# Altium PCB Flight_Controller.PcbDoc (part 2 of 2)
Units mm, origin at the board's own origin, x right, y up, seen from the top; angles counter-clockwise.
Board outline 50 x 50 mm, 2 copper layers (Top Layer, Bottom Layer), stack 1.569 mm thick; 102 components, 121 nets, 487 pads, 245 vias.
Unrouted connection lines stored in the file: 77.
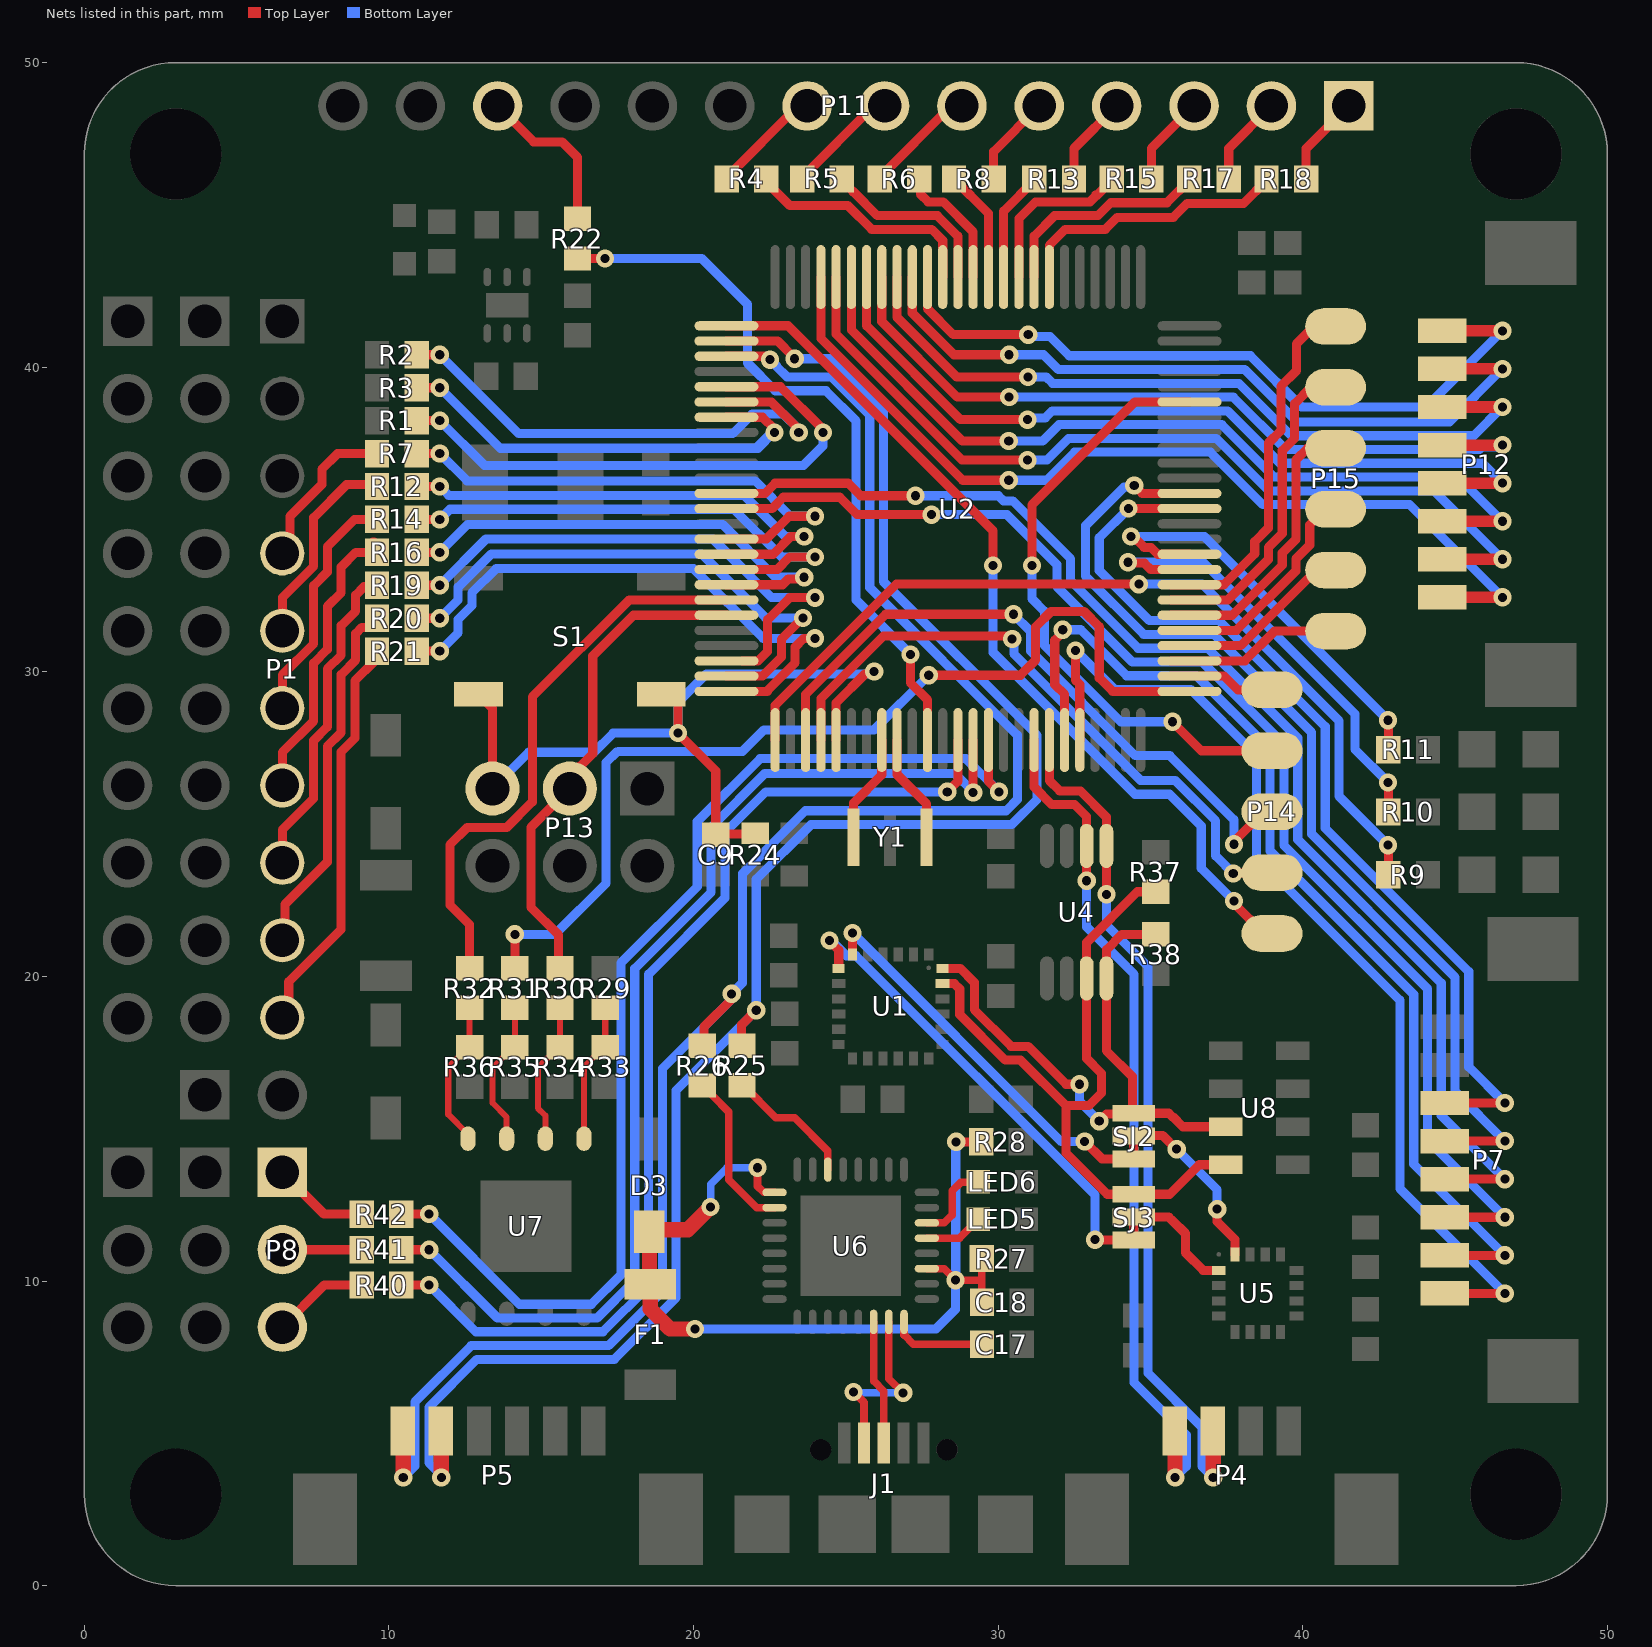
[diagram p2: the nets of this part, all layers, seen from the top]

## Via types
v1: diameter 0.6, hole 0.3, Top Layer to Bottom Layer, tented both sides, 245 vias

## Nets (pads, with @x,y where several pads share a name; then routed paths per layer and width w, separated by ;. In a path a pad name is that pad's centre, name@x,y a point inside that pad or via, vN(x,y) a via of type N, cw(c..) or ccw(c..) an arc to the next point about the centre after c; other vN are vias at no path point) (continued)
NetP1_4: P1.4 R7.1 | length 5.2
  Top Layer w0.3: P1.4@6.5,33.89 6.754,34.144 6.754,35.102 7.8,36.149 7.8,36.65 8.317,37.167 R7.1@9.51,37.167
NetP1_5: P1.5 R12.1 | length 6.6
  Top Layer w0.3: P1.5@6.5,31.35 6.5,32.438 7.527,33.465 7.527,35.065 8.612,36.15 9.446,36.15 R12.1@9.51,36.086
NetP1_6: P1.6 R14.1 | length 7.9
  Top Layer w0.3: P1.6@6.5,28.81 6.5,29.898 7.527,30.925 7.527,32.825 7.979,33.277 7.979,34.109 8.874,35.004 R14.1@9.61,35.004
NetP1_7: P1.7 R16.1 | length 9.7
  Top Layer w0.3: P1.7@6.5,26.27 6.5,27.358 7.527,28.385 7.527,30.285 7.979,30.737 7.979,32.146 8.431,32.598 8.431,33.441 8.913,33.923 R16.1@9.51,33.923 ; R16.1@9.472,34.252 9.51,34.252 R16.1@9.51,33.923 ; R16.1@9.61,33.923 R16.1@9.51,33.923
NetP1_8: P1.8 R19.1 | length 10.7
  Top Layer w0.3: P1.8@6.5,23.73 6.5,24.818 7.527,25.845 7.527,27.745 7.979,28.197 7.979,30.098 8.431,30.55 8.431,31.517 8.908,31.994 8.908,32.518 9.182,32.792 9.61,32.792 R19.1@9.61,32.842
NetP1_9: P1.9 R20.1 | length 12
  Top Layer w0.3: P1.9@6.5,21.19 6.587,21.277 6.587,22.365 7.979,23.757 7.979,27.558 8.431,28.01 8.431,29.911 8.908,30.388 8.908,31.255 9.114,31.461 9.36,31.461 9.61,31.711 R20.1@9.61,31.761
NetP1_10: P1.10 R21.1 | length 13.3
  Top Layer w0.3: P1.10@6.5,18.65 6.712,18.862 6.712,19.825 8.431,21.544 8.431,27.371 8.883,27.823 8.883,29.703 9.51,30.33 R21.1@9.51,30.68
NetP4_3: P4.3 U2.44 U4.5 | length 28.3
  Top Layer w0.3: U2.44@31.68,27.76 31.68,26.432 32.02,26.092 32.698,26.092 33.555,25.235 U4.5@33.555,24.285 v1(33.555,22.695)
  Top Layer w0.5: v1(37.06,3.55) P4.3@37.06,5.065
  Bottom Layer w0.3: v1(33.555,22.695) 33.555,21.696 34.914,20.337 34.914,6.986 36.69,5.21 36.69,3.921 v1(37.06,3.55)
NetP4_4: P4.4 U2.43 U4.6 | length 28.4
  Top Layer w0.3: U2.43@31.18,27.76 31.18,26.22 31.76,25.64 32.511,25.64 32.905,25.246 U4.6@32.905,24.285 v1(32.905,23.14)
  Top Layer w0.5: v1(35.81,3.55) P4.4@35.81,5.065
  Bottom Layer w0.3: v1(32.905,23.14) 32.905,21.625 34.462,20.068 34.462,6.668 36.18,4.95 36.18,3.921 v1(35.81,3.55)
NetP8_1: P8.1 R42.1 | length 3.2
  Top Layer w0.3: P8.1@6.5,13.57 7.87,12.2 R42.1@9.11,12.2
NetP8_2: P8.2 R41.1 | length 2.6
  Top Layer w0.3: P8.2@6.5,11.03 R41.1@9.11,11.03
NetP8_3: P8.3 R40.1 | length 3.2
  Top Layer w0.3: P8.3@6.5,8.49 7.88,9.87 R40.1@9.11,9.87
NetP11_1: P11.1 R18.2 | length 3
  Top Layer w0.3: R18.2@40.11,46.18 40.11,47.18 P11.1@41.51,48.58
NetP11_2: P11.2 R17.2 | length 3
  Top Layer w0.3: R17.2@37.57,46.18 37.57,47.18 P11.2@38.97,48.58
NetP11_3: P11.3 R15.2 | length 3
  Top Layer w0.3: R15.2@35.03,46.18 35.03,47.18 P11.3@36.43,48.58
NetP11_4: P11.4 R13.2 | length 3
  Top Layer w0.3: R13.2@32.49,46.18 32.49,47.18 P11.4@33.89,48.58
NetP11_5: P11.5 R8.2 | length 3
  Top Layer w0.3: R8.2@29.85,46.18 29.85,47.08 P11.5@31.35,48.58
NetP11_6: P11.6 R6.2 | length 3.7
  Top Layer w0.3: R6.2@26.11,46.18 26.11,46.23 28.46,48.58 P11.6@28.81,48.58
NetP11_7: P11.7 R5.2 | length 3.7
  Top Layer w0.3: R5.2@23.57,46.18 23.57,46.23 25.92,48.58 P11.7@26.27,48.58
NetP11_8: P11.8 R4.2 | length 3.7
  Top Layer w0.3: R4.2@21.09,46.18 21.09,46.23 23.44,48.58 P11.8@23.73,48.58
NetP11_12: P11.12 R22.1 | length 5.3
  Top Layer w0.3: P11.12@13.57,48.58 14.75,47.4 15.68,47.4 16.19,46.89 R22.1@16.19,44.87
NetP12_1: P12.1 U2.90 | length 24.3
  Top Layer w0.3: U2.90@27.68,42.96 27.68,41.921 28.531,41.07 v1(30.99,41.07)
  Top Layer w0.381: P12.1@44.58,41.195 v1(46.555,41.195)
  Bottom Layer w0.3: v1(30.99,41.07) 31.047,41.013 31.697,41.013 32.334,40.376 38.279,40.376 39.96,38.695 44.055,38.695 v1(46.555,41.195)
NetP12_2: P12.2 U2.91 | length 24.7
  Top Layer w0.3: U2.91@27.18,42.96 27.18,41.782 28.552,40.41 v1(30.36,40.41)
  Top Layer w0.381: P12.2@44.58,39.945 v1(46.555,39.945)
  Bottom Layer w0.3: v1(30.36,40.41) 31.489,40.41 31.975,39.924 38.091,39.924 39.813,38.202 44.812,38.202 v1(46.555,39.945)
NetP12_3: P12.3 U2.92 | length 25.2
  Top Layer w0.3: U2.92@26.68,42.96 26.68,41.642 28.642,39.68 v1(30.98,39.68)
  Top Layer w0.381: P12.3@44.58,38.695 v1(46.555,38.695)
  Bottom Layer w0.3: v1(30.98,39.68) 31.58,39.68 31.788,39.472 37.904,39.472 39.626,37.75 45.61,37.75 v1(46.555,38.695)
NetP12_4: P12.4 U2.93 | length 25.6
  Top Layer w0.3: U2.93@26.18,42.96 26.18,41.503 28.663,39.02 v1(30.36,39.02)
  Top Layer w0.381: P12.4@44.58,37.445 v1(46.555,37.445)
  Bottom Layer w0.3: v1(30.36,39.02) 37.717,39.02 39.439,37.298 45.797,37.298 45.887,37.388 46.498,37.388 v1(46.555,37.445)
NetP12_5: P12.5 U2.94 | length 26.8
  Top Layer w0.3: U2.94@25.68,42.96 25.68,41.364 28.764,38.28 v1(30.96,38.28)
  Top Layer w0.381: P12.5@44.58,36.195 v1(46.555,36.195)
  Bottom Layer w0.3: v1(30.96,38.28) 31.017,38.337 31.547,38.337 31.778,38.568 37.53,38.568 39.252,36.846 45.904,36.846 v1(46.555,36.195)
NetP12_6: P12.6 U2.95 | length 28.1
  Top Layer w0.3: U2.95@25.18,42.96 25.18,41.225 28.825,37.58 v1(30.35,37.58)
  Top Layer w0.381: P12.6@44.58,34.945 v1(46.555,34.945)
  Bottom Layer w0.3: v1(30.35,37.58) 31.46,37.58 31.996,38.116 37.342,38.116 39.064,36.394 45.106,36.394 v1(46.555,34.945)
NetP12_7: P12.7 U2.96 | length 29.4
  Top Layer w0.3: U2.96@24.68,42.96 24.68,41.085 28.815,36.95 v1(30.96,36.95)
  Top Layer w0.381: P12.7@44.58,33.695 v1(46.555,33.695)
  Bottom Layer w0.3: v1(30.96,36.95) 31.6,36.95 32.314,37.664 37.155,37.664 38.877,35.942 44.308,35.942 v1(46.555,33.695)
NetP12_8: P12.8 U2.97 | length 30.6
  Top Layer w0.3: U2.97@24.18,42.96 24.18,40.946 28.836,36.29 v1(30.35,36.29)
  Top Layer w0.381: P12.8@44.58,32.445 v1(46.555,32.445)
  Bottom Layer w0.3: v1(30.35,36.29) 31.59,36.29 32.512,37.212 36.968,37.212 38.69,35.49 43.51,35.49 v1(46.555,32.445)
NetR1_2: R1.2 U2.5 | length 18.5
  Top Layer w0.3: R1.2@10.91,38.248 v1(11.67,38.248) ; U2.5@21.08,39.36 22.85,39.36 v1@24.25,37.96
  Bottom Layer w0.3: v1(11.67,38.248) 13.138,36.78 23.611,36.78 24.25,37.419 v1(24.25,37.86) v1@24.25,37.96
NetR2_2: R2.2 U2.6 | length 16.9
  Top Layer w0.3: R2.2@10.81,40.41 R2.2@10.91,40.41 v1(11.67,40.41) ; U2.6@21.08,38.86 22.555,38.86 v1@23.455,37.96
  Bottom Layer w0.3: v1(11.67,40.41) 14.26,37.82 21.284,37.82 21.926,38.462 22.953,38.462 v1@23.455,37.96
  other v1: 23.455,37.86
NetR3_2: R3.2 U2.7 | length 15.4
  Top Layer w0.3: R3.2@10.91,39.329 v1(11.67,39.329) ; U2.7@21.08,38.36 22.26,38.36 v1@22.66,37.96
  Bottom Layer w0.3: v1(11.67,39.329) 13.659,37.34 22.04,37.34 ; v1(22.66,37.86) 22.639,37.86 22.119,37.34 22.04,37.34 ; v1@22.66,37.96 22.04,37.34
NetR4_1: R4.1 U2.89 | length 7.9
  Top Layer w0.3: R4.1@22.39,46.18 22.39,46.083 23.163,45.31 25.064,45.31 25.85,44.524 27.818,44.524 28.18,44.162 U2.89@28.18,42.96
NetR5_1: R5.1 U2.88 | length 6
  Top Layer w0.3: R5.1@24.87,46.18 24.87,46.13 25.238,45.762 25.251,45.762 26.037,44.976 28.005,44.976 28.68,44.301 U2.88@28.68,42.96
NetR6_1: R6.1 U2.87 | length 4.2
  Top Layer w0.3: R6.1@27.41,46.18 27.45,46.14 27.45,45.68 27.702,45.428 28.192,45.428 29.18,44.44 U2.87@29.18,42.96
NetR7_2: R7.2 U2.15 | length 17.2
  Top Layer w0.3: R7.2@10.91,37.167 v1(11.67,37.167) ; U2.15@21.08,34.36 22.39,34.36 23.14,35.11 v1(23.99,35.11)
  Bottom Layer w0.3: v1(11.67,37.167) 12.567,36.27 22.02,36.27 23.18,35.11 v1(23.99,35.11)
NetR8_1: R8.1 U2.86 | length 3.7
  Top Layer w0.3: R8.1@28.55,46.18 29.68,45.05 U2.86@29.68,42.96
NetR12_2: R12.2 U2.16 | length 16.2
  Top Layer w0.3: R12.2@10.91,36.086 v1(11.67,36.086) ; U2.16@21.08,33.86 22.612,33.86 23.193,34.442 v1(23.63,34.442)
  Bottom Layer w0.3: v1(11.67,36.086) 11.964,35.792 21.658,35.792 23.008,34.442 v1(23.63,34.442)
NetR13_1: R13.1 U2.85 | length 3.6
  Top Layer w0.3: U2.85@30.18,42.96 30.18,45.12 31.19,46.13 R13.1@31.19,46.18
NetR14_2: R14.2 U2.17 | length 16.9
  Top Layer w0.3: R14.2@10.91,35.004 v1(11.67,35.004) ; U2.17@21.08,33.36 22.751,33.36 23.164,33.773 v1(23.99,33.773)
  Bottom Layer w0.3: v1(11.67,35.004) 12.006,35.34 21.32,35.34 22.887,33.773 v1(23.99,33.773)
NetR15_1: R15.1 U2.84 | length 5.6
  Top Layer w0.3: U2.84@30.68,42.96 30.68,44.878 31.23,45.428 33.015,45.428 33.192,45.605 33.192,45.644 33.244,45.644 33.73,46.13 R15.1@33.73,46.18
NetR16_2: R16.2 U2.18 | length 16.6
  Top Layer w0.3: R16.2@10.91,33.923 v1(11.67,33.923) ; U2.18@21.08,32.86 22.921,32.86 23.108,33.048 23.573,33.048 v1(23.63,33.105) v1@23.549,33.105
  Bottom Layer w0.3: v1(11.67,33.923) 12.587,34.84 20.95,34.84 22.685,33.105 v1(23.63,33.105)
NetR17_1: R17.1 U2.83 | length 7.2
  Top Layer w0.2: R17.1@36.27,46.13 R17.1@36.27,46.18
  Top Layer w0.3: U2.83@31.18,42.96 31.18,44.306 31.85,44.976 33.276,44.976 33.7,45.4 35.54,45.4 R17.1@36.27,46.13
NetR18_1: R18.1 U2.82 | length 9.1
  Top Layer w0.3: U2.82@31.68,42.96 31.68,43.999 32.205,44.524 33.514,44.524 33.91,44.92 35.75,44.92 36.21,45.38 38.06,45.38 38.81,46.13 R18.1@38.81,46.18
NetR19_2: R19.2 U2.23 | length 18.4
  Top Layer w0.3: R19.2@10.91,32.842 v1(11.67,32.842) ; U2.23@21.602,30.36 22.119,30.36 22.432,30.673 22.432,31.712 23.157,32.437 v1(23.99,32.437)
  Bottom Layer w0.3: v1(11.67,32.842) 13.188,34.36 20.64,34.36 22.563,32.437 v1(23.99,32.437)
NetR20_2: R20.2 U2.24 | length 18.3
  Top Layer w0.3: R20.2@10.91,31.761 v1(11.67,31.761) ; U2.24@21.08,29.86 22.258,29.86 22.884,30.486 22.884,31.064 v1(23.59,31.77)
  Bottom Layer w0.3: v1(11.67,31.761) 12.272,32.363 12.272,32.78 13.362,33.87 20.27,33.87 22.37,31.77 v1(23.59,31.77)
NetR21_2: R21.2 U2.25 | length 19.6
  Top Layer w0.3: R21.2@10.91,30.68 v1(11.67,30.68) ; U2.25@21.08,29.36 22.418,29.36 22.418,29.381 23.336,30.298 23.336,30.816 23.62,31.1 v1(23.99,31.1)
  Bottom Layer w0.3: v1(11.67,30.68) 12.272,31.282 12.272,31.724 12.724,32.176 12.724,32.593 13.521,33.39 20,33.39 22.29,31.1 v1(23.99,31.1)
NetR22_2: R22.2 U2.36 | length 23.9
  Top Layer w0.3: R22.2@16.19,43.57 v1(17.09,43.57) ; v1(27.123,30.57) 27.118,30.565 27.118,29.641 27.68,29.079 U2.36@27.68,27.76
  Bottom Layer w0.3: v1(17.09,43.57) 20.27,43.57 21.77,42.07 21.77,40.139 22.683,39.226 24.344,39.226 25.332,38.238 25.332,32.361 v1(27.123,30.57)
NetR29_1: R29.1 R33.1 U7.1 | length 4.6
  Top Layer w0.2: U7.1@16.405,14.675 16.398,14.682 16.398,17.028 17.05,17.68 R33.1@17.1,17.68 R29.1@17.1,18.97
NetR30_1: R30.1 R34.1 U7.2 | length 4.7
  Top Layer w0.2: U7.2@15.135,14.675 15.135,15.435 14.89,15.68 14.89,17.003 15.567,17.68 R34.1@15.617,17.68 R30.1@15.617,18.97
NetR31_1: R31.1 R35.1 U7.3 | length 4.8
  Top Layer w0.2: U7.3@13.865,14.675 13.865,15.385 13.4,15.85 13.4,16.997 14.083,17.68 R35.1@14.133,17.68 R31.1@14.133,18.97
NetR31_2: R31.2 U2.51 | length 32.7
  Top Layer w0.3: R31.2@14.133,20.27 v1(14.133,21.383) ; v1(27.72,29.89) 30.73,29.89 31.23,30.39 31.23,31.478 31.734,31.982 32.817,31.982 33.32,31.479 33.32,29.8 33.76,29.36 U2.51@36.28,29.36
  Bottom Layer w0.3: v1(14.133,21.383) 15.453,21.383 17.131,23.061 17.131,27.026 17.475,27.37 17.51,27.37 17.528,27.388 21.608,27.388 22.31,28.09 25.92,28.09 v1(27.72,29.89)
NetR32_1: R32.1 R36.1 U7.4 | length 4.9
  Top Layer w0.2: U7.4@12.595,14.675 12.595,14.825 11.948,15.472 11.948,17.028 12.6,17.68 R36.1@12.65,17.68 R32.1@12.65,18.97
NetR32_2: R32.2 U2.19 | length 18.8
  Top Layer w0.3: R32.2@12.65,20.27 12.65,21.7 12,22.35 12,24.32 12.57,24.89 13.87,24.89 14.71,25.73 14.71,29.18 17.89,32.36 U2.19@21.08,32.36
NetR37_1: R37.1 SJ3.2 U1.23 U4.3 U8.8 | length 23.4
  Top Layer w0.3: U1.23@28.175,19.765 28.564,19.765 28.74,19.589 28.74,18.751 30.238,17.253 30.734,17.253 32.229,15.758 ; R37.1@35.17,22.78 34.57,22.78 32.905,21.115 U4.3@32.905,19.935 32.905,17.305 33.39,16.82 33.39,16.171 32.976,15.758 32.229,15.758 ; U8.8@37.47,13.815 37.465,13.82 36.6,13.82 35.63,12.85 SJ3.2@34.45,12.85 33.58,12.85 32.229,14.201 32.229,15.758
NetR38_1: R38.1 SJ2.2 U1.24 U4.4 U8.7 | length 20.1
  Top Layer w0.3: U1.24@28.175,20.265 28.755,20.265 29.22,19.8 29.22,18.91 30.425,17.705 30.985,17.705 32.23,16.46 v1(32.67,16.46) ; v1(33.32,15.25) 33.56,15.49 34.43,15.49 SJ2.2@34.45,15.51 ; R38.1@35.17,21.38 34.06,21.38 33.56,20.88 33.56,19.94 U4.4@33.555,19.935 33.555,19.695 33.555,17.565 34.41,16.71 34.41,15.55 SJ2.2@34.45,15.51 ; U8.7@37.47,15.065 36.065,15.065 35.74,15.39 35.72,15.39 35.6,15.51 SJ2.2@34.45,15.51
  Bottom Layer w0.3: v1(32.67,16.46) 32.67,15.9 v1(33.32,15.25)
NetR40_2: R40.2 U2.38 | length 35
  Top Layer w0.3: R40.2@10.41,9.87 v1(11.32,9.87) ; v1(28.33,26.06) 28.68,26.41 U2.38@28.68,27.76
  Bottom Layer w0.3: v1(11.32,9.87) 12.856,8.334 17.022,8.334 18.524,9.836 18.524,20.072 21.027,22.575 21.027,24.711 22.376,26.06 v1(28.33,26.06)
NetR41_2: R41.2 U2.39 | length 36.3
  Top Layer w0.3: R41.2@10.41,11.03 v1(11.32,11.03) ; v1(29.18,26.04) U2.39@29.18,27.76
  Bottom Layer w0.3: v1(11.32,11.03) 13.564,8.786 16.835,8.786 18.072,10.023 18.072,20.259 20.575,22.762 20.575,24.899 22.338,26.662 28.579,26.662 29.18,26.061 v1(29.18,26.04)
NetR42_2: R42.2 U2.40 | length 37.8
  Top Layer w0.3: R42.2@10.41,12.2 v1(11.32,12.2) ; U2.40@29.68,27.76 29.68,26.41 v1(30.03,26.06)
  Bottom Layer w0.3: v1(11.32,12.2) 14.282,9.238 16.647,9.238 17.62,10.211 17.62,20.446 20.123,22.949 20.123,25.086 22.187,27.15 28.94,27.15 v1(30.03,26.06)
NetSJ2_1: SJ2.1 SJ2.3 U1.6 U5.16 | length 19.6
  Top Layer w0.3: U1.6@25.22,20.72 v1(25.22,21.43) ; v1(32.84,14.58) 33.41,14.01 SJ2.3@34.45,14.01 SJ2.1@34.45,14.76 34.47,14.78 35.4,14.78 35.85,14.33 v1(35.86,14.33) ; v1(37.19,12.36) 37.19,11.95 37.77,11.37 U5.16@37.77,10.875
  Bottom Layer w0.3: v1(25.22,21.43) 32.07,14.58 v1(32.84,14.58) ; v1(35.86,14.33) 37.19,13 v1(37.19,12.36)
NetSJ3_1: SJ3.1 SJ3.3 U1.7 U5.1 | length 20.6
  Top Layer w0.3: v1(24.46,21.18) 24.46,21.17 24.765,20.865 U1.7@24.765,20.265 ; v1(33.18,11.36) 33.25,11.36 33.26,11.35 SJ3.3@34.45,11.35 SJ3.1@34.45,12.1 35.6,12.1 35.71,11.99 35.72,11.99 36.15,11.56 36.15,10.93 36.73,10.35 U5.1@37.245,10.35
  Bottom Layer w0.3: v1(24.46,21.18) 24.521,21.18 25.021,20.68 25.331,20.68 33.18,12.831 v1(33.18,11.36)
NetU2_33: U2.33 Y1.2 | length 3.6
  Top Layer w0.3: Y1.2@25.25,24.57 25.25,25.69 26.18,26.62 U2.33@26.18,27.76
NetU2_34: U2.34 Y1.1 | length 3.6
  Top Layer w0.3: U2.34@26.68,27.76 26.68,26.63 27.65,25.66 Y1.1@27.65,24.57
PB7: R9.2 U2.26 | length 28.9
  Top Layer w0.3: U2.26@22.68,27.76 22.68,28.899 26.661,32.88 v1(34.62,32.88) ; v1(42.8,24.31) 42.81,24.3 R9.2@42.81,23.34
  Bottom Layer w0.3: v1(34.62,32.88) 36.699,32.88 41.19,28.389 41.19,25.92 v1(42.8,24.31)
PC0: P15.1 U2.53 | length 5.8
  Top Layer w0.3: U2.53@35.68,30.36 U2.53@36.28,30.36 38.1,30.36 39.08,31.34 P15.1@41.08,31.34
PC1: P15.2 U2.54 | length 5.8
  Top Layer w0.3: U2.54@36.28,30.86 37.961,30.86 40.441,33.34 P15.2@41.08,33.34
PC2: P15.3 U2.55 | length 7.7
  Top Layer w0.2: P15.3@40.92,35.18 P15.3@41.08,35.34
  Top Layer w0.3: U2.55@35.68,31.36 U2.55@36.28,31.36 37.822,31.36 39.778,33.316 39.778,33.714 40.23,34.166 40.23,34.825 40.585,35.18 P15.3@40.92,35.18
PC3: P15.4 U2.56 | length 9.4
  Top Layer w0.3: U2.56@35.68,31.86 U2.56@36.28,31.86 37.682,31.86 39.326,33.504 39.326,33.901 39.778,34.353 39.778,36.958 40.16,37.34 P15.4@41.08,37.34
PC4: P15.5 U2.57 | length 10.8
  Top Layer w0.3: U2.57@35.68,32.36 U2.57@36.28,32.36 37.543,32.36 38.874,33.691 38.874,34.088 39.326,34.54 39.326,37.262 39.732,37.668 39.732,38.802 40.27,39.34 P15.5@41.08,39.34
PC5: P15.6 U2.58 | length 12.1
  Top Layer w0.3: U2.58@35.68,32.86 U2.58@36.28,32.86 37.404,32.86 38.422,33.878 38.422,34.275 38.874,34.727 38.874,37.514 39.28,37.92 39.28,39.37 39.795,39.885 39.795,40.765 40.37,41.34 P15.6@41.08,41.34
PC6: R10.2 U2.59 | length 15.3
  Top Layer w0.3: v1(34.26,33.6) 34.29,33.57 34.8,33.57 35.01,33.36 U2.59@36.28,33.36 ; R10.2@42.81,25.4 v1@42.81,26.36
  Bottom Layer w0.3: v1(34.26,33.6) 36.73,33.6 41.71,28.62 41.71,27.46 v1(42.8,26.37)
PC7: R11.2 U2.60 | length 14.1
  Top Layer w0.3: v1(34.36,34.442) 34.441,34.442 34.797,34.085 35.015,34.085 35.241,33.86 U2.60@36.28,33.86 ; R11.2@42.81,27.44 v1@42.81,28.4
  Bottom Layer w0.3: v1(34.36,34.442) 36.768,34.442 v1(42.8,28.41)
PG1: P14.1 U2.52 | length 3.5
  Top Layer w0.3: U2.52@35.68,29.86 U2.52@36.28,29.86 37.42,29.86 37.87,29.41 P14.1@38.99,29.41
PG2: P14.2 U2.70 | length 20.3
  Top Layer w0.3: v1(31.11,33.49) 31.11,35.48 34.49,38.86 U2.70@36.28,38.86 ; v1(35.72,28.36) 36.67,27.41 P14.2@38.99,27.41
  Bottom Layer w0.3: v1(31.11,33.49) 31.11,32.401 31.518,31.993 31.518,30.871 34.029,28.36 v1(35.72,28.36)
PG3: P14.3 U2.28 | length 22.4
  Top Layer w0.3: U2.28@23.68,27.76 23.68,29.26 26.31,31.89 v1(30.501,31.89) ; v1(37.74,24.34) 37.74,24.421 38.729,25.41 P14.3@38.99,25.41
  Bottom Layer w0.3: v1(30.501,31.89) 31.066,31.325 31.066,30.683 34.499,27.25 35.635,27.25 37.74,25.145 v1(37.74,24.34)
PG4: P14.4 U2.29 | length 21.2
  Top Layer w0.3: U2.29@24.18,27.76 24.18,29.121 26.231,31.172 30.368,31.172 v1(30.46,31.08) ; v1(37.72,23.38) 37.735,23.395 38.945,23.395 P14.4@38.96,23.38
  Bottom Layer w0.3: v1(30.46,31.08) 30.517,31.023 30.517,30.593 34.678,26.432 35.814,26.432 37.138,25.108 37.138,23.962 v1(37.72,23.38)
PG5: P14.5 U2.1 | length 29.4
  Top Layer w0.3: U2.1@21.08,41.36 23.102,41.36 29.83,34.632 v1(29.83,33.49) ; v1(37.74,22.48) 37.74,22.399 38.729,21.41 P14.5@38.99,21.41
  Bottom Layer w0.3: v1(29.83,33.49) 29.83,30.641 34.491,25.98 35.626,25.98 36.667,24.939 36.667,23.553 v1(37.74,22.48)
RESET: C9.2 P13.5 R24.2 S1.3 S1.4 U2.30 | length 27.4
  Top Layer w0.3: S1.3@12.84,29.15 13.05,29.15 13.4,28.8 P13.5@13.4,26.17 ; S1.4@18.84,29.15 S1.4@19.14,29.15 ; S1.4@19.49,29.27 v1(19.49,27.99) 20.73,26.75 C9.2@20.73,24.65 20.755,24.675 21.995,24.675 R24.2@22.02,24.7 ; U2.30@24.68,27.76 24.68,28.981 25.629,29.93
  Bottom Layer w0.3: P13.5@13.4,26.17 14.591,27.361 16.731,27.361 17.36,27.99 v1(19.49,27.99) 19.49,29 20.42,29.93 v1@25.96,29.93
  other v1: 25.93,30.01
RX0: P5.5 R25.2 U2.2 | length 61
  Top Layer w0.3: U2.2@21.08,40.86 22.76,40.86 v1@23.27,40.35 ; R25.2@21.59,17.73 21.58,17.74 21.58,18.42 22.05,18.89 v1(22.06,18.89)
  Top Layer w0.5: v1(11.72,3.55) P5.5@11.72,5.065
  Bottom Layer w0.3: v1(11.72,3.55) 11.72,3.631 11.31,4.041 11.31,5.851 12.889,7.43 17.396,7.43 19.428,9.462 19.428,16.258 v1(22.06,18.89) 22.06,23.189 23.857,24.986 30.447,24.986 30.467,25.006 31.28,25.819 31.28,27.912 26.236,32.956 26.236,38.612 24.569,40.28 v1(23.32,40.28)
RX1: P7.7 U2.45 | length 34
  Top Layer w0.3: v1(32.12,31.38) 32.12,31.299 31.86,31.039 31.86,29.58 32.18,29.26 U2.45@32.18,27.76 ; P7.7@44.66,10.845 v1(46.635,10.845)
  Bottom Layer w0.3: v1@32.22,31.38 32.711,31.38 34.219,29.872 36.511,29.872 38.93,27.453 38.93,24.12 43.642,19.408 43.642,13.838 v1(46.635,10.845)
RX2: P7.5 U2.12 | length 42
  Top Layer w0.3: U2.12@21.08,35.86 22.35,35.86 22.68,36.19 25.08,36.19 25.49,35.78 v1@27.19,35.78 ; P7.5@44.66,13.345 v1(46.635,13.345)
  Bottom Layer w0.3: v1(27.29,35.78) 30.009,35.78 30.177,35.612 30.478,35.612 32.38,33.71 32.38,32.99 34.594,30.776 36.886,30.776 39.834,27.828 39.834,24.494 44.546,19.782 44.546,15.434 v1(46.635,13.345)
RX3: P7.3 U2.63 | length 30.7
  Top Layer w0.3: v1(34.279,35.36) U2.63@36.28,35.36 ; P7.3@44.66,15.845 v1(46.635,15.845)
  Bottom Layer w0.3: v1(34.279,35.36) 33.32,34.401 33.32,33.329 34.969,31.68 37.26,31.68 40.738,28.202 40.738,24.869 45.45,20.157 45.45,17.03 v1(46.635,15.845)
RXD: R26.1 U6.2 | length 5.4
  Top Layer w0.25: R26.1@20.29,16.42 20.34,16.42 20.615,16.145 20.615,16.095 21.16,15.55 21.16,13.32 22.07,12.41 U6.2@22.66,12.41
RXLED: LED5.2 U6.21 | length 1.9
  Top Layer w0.25: U6.21@27.66,11.41 28.73,11.41 LED5.2@29.35,12.03
SCK: P13.3 R30.2 U2.20 | length 16.5
  Top Layer w0.3: R30.2@15.617,20.27 15.567,20.27 15.567,21.363 14.66,22.27 14.66,24.89 P13.3@15.94,26.17 15.94,26.564 16.69,27.314 16.69,30.521 18.029,31.86 U2.20@21.08,31.86
TX0: P5.6 R26.2 U2.3 | length 60.5
  Top Layer w0.3: R26.2@20.29,17.72 20.34,17.72 20.34,18.34 21.25,19.25 v1(21.25,19.43) ; U2.3@21.08,40.36 v1@22.41,40.36
  Top Layer w0.5: v1(10.47,3.55) P5.6@10.47,5.065
  Bottom Layer w0.3: v1(10.47,3.55) 10.85,3.93 10.85,6.03 12.702,7.882 17.209,7.882 18.976,9.649 18.976,16.976 21.25,19.25 v1(21.25,19.43) 21.608,19.788 21.608,23.376 23.67,25.438 30.259,25.438 30.279,25.458 30.632,25.811 30.632,27.921 25.784,32.769 25.784,38.425 24.531,39.678 23.071,39.678 22.718,40.031 22.718,40.052 v1@22.71,40.06
  other v1: 22.51,40.25
TX1: P7.8 U2.46 | length 33.4
  Top Layer w0.3: v1(32.54,30.7) 32.54,29.73 32.68,29.59 U2.46@32.68,27.76 ; P7.8@44.66,9.595 v1(46.635,9.595)
  Bottom Layer w0.3: v1(32.54,30.7) 33.82,29.42 36.324,29.42 38.478,27.266 38.478,23.933 43.19,19.221 43.19,13.04 v1(46.635,9.595)
TX2: P7.6 U2.13 | length 42.7
  Top Layer w0.3: U2.13@21.08,35.36 22.576,35.36 22.946,35.73 24.8,35.73 25.37,35.16 v1@27.71,35.16 ; P7.6@44.66,12.095 v1(46.635,12.095)
  Bottom Layer w0.3: v1(27.81,35.16) 30.291,35.16 31.928,33.523 31.928,32.802 34.406,30.324 36.698,30.324 39.382,27.64 39.382,24.307 44.094,19.595 44.094,14.636 v1(46.635,12.095)
TX3: P7.4 U2.64 | length 33.3
  Top Layer w0.3: v1(34.47,36.12) 34.73,35.86 U2.64@36.28,35.86 ; P7.4@44.66,14.595 v1(46.635,14.595)
  Bottom Layer w0.3: v1(34.47,36.12) 34.413,36.063 34.13,36.063 32.868,34.8 32.868,33.141 34.781,31.228 37.073,31.228 40.286,28.015 40.286,24.682 44.998,19.97 44.998,16.232 v1(46.635,14.595)
TXD: R25.1 U6.30 | length 4.3
  Top Layer w0.25: R25.1@21.59,16.43 21.64,16.43 22.705,15.365 23.315,15.365 24.41,14.27 U6.30@24.41,13.66
TXLED: LED6.2 U6.22 | length 2.7
  Top Layer w0.2: LED6.2@29.34,13.25 LED6.2@29.35,13.26
  Top Layer w0.25: U6.22@27.66,11.91 28.23,11.91 28.49,12.17 28.49,12.96 28.78,13.25 LED6.2@29.34,13.25
USB_5V: C18.2 D3.2 F1.2 R27.2 R28.2 U6.1 U6.19 | length 29.1
  Top Layer w0.2: U6.19@27.66,10.41 U6.19@27.67,10.4 ; C18.2@29.46,9.32 C18.2@29.47,9.31
  Top Layer w0.25: v1(22.1,13.72) 22.1,13.11 22.3,12.91 U6.1@22.66,12.91 ; U6.19@27.67,10.4 28.23,10.4 v1(28.6,10.03) 29.46,10.03 ; C18.2@29.46,9.32 29.46,10.03 ; R27.2@29.46,10.74 29.46,10.03
  Top Layer w0.3: v1@28.52,14.55 28.52,14.57 v1(28.62,14.57) R28.2@29.44,14.57
  Top Layer w0.5: v1(20.05,8.43) 19.23,8.43 18.58,9.08 F1.2@18.58,9.89 18.55,9.92 D3.2@18.55,11.615 18.623,11.688 19.818,11.688 v1(20.56,12.43)
  Bottom Layer w0.25: v1(20.56,12.43) 20.56,13.18 21.1,13.72 v1(22.1,13.72)
  Bottom Layer w0.3: v1(20.05,8.43) 27.96,8.43 28.6,9.07 v1(28.6,10.03) 28.61,10.04 28.61,14.56 v1(28.62,14.57)
USB_N: J1.2 U6.15 | length 6
  Top Layer w0.25: v1(25.25,6.36) 25.597,6.013 J1.2@25.597,4.69 ; U6.15@26.41,8.66 26.41,6.8 v1(26.88,6.33)
  Bottom Layer w0.2: v1(25.25,6.36) v1@25.28,6.33
  Bottom Layer w0.25: v1@25.28,6.33 v1(26.88,6.33)
USB_P: J1.3 U6.14 | length 4.1
  Top Layer w0.25: U6.14@25.91,8.66 25.91,6.72 26.247,6.383 J1.3@26.247,4.69
VCCIO: C17.2 U6.16 | length 3.1
  Top Layer w0.25: U6.16@26.91,8.66 26.91,8.23 27.22,7.92 C17.2@29.47,7.92
pads on no net: J1.0 J1.4 P4.0 P5.0 P7.0 P12.0 U1.0 U1.2 U1.3 U1.4 U1.5 U1.12 U1.14 U1.15 U1.16 U1.17 U1.19 U1.21 U1.22 U2.4 U2.8 U2.9 U2.14 U2.27 U2.35 U2.37 U2.41 U2.42 U2.47 U2.48 U2.49 U2.50 U2.65 U2.66 U2.67 U2.68 U2.69 U2.71 U2.72 U2.73 U2.74 U2.75 U2.76 U2.77 U2.78 U2.79 U2.98 U3.5 U3.7 U4.7 U5.0 U5.3 U5.5 U5.6 U5.7 U5.14 U5.15 U6.3 U6.5 U6.6 U6.7 U6.8 U6.9 U6.10 U6.11 U6.12 U6.13 U6.18 U6.23 U6.25 U6.27 U6.28 U6.29 U6.32 U7.9 U8.6

## Polygon pours and split planes (outlines as drawn)
GND on Bottom Layer "Bottom Layer-GND" (solid, pour order 0): 3,0 cw(c3,3) 0,3 0,47 cw(c3,47) 3,50 47,50 cw(c47,47) 50,47 50,3 cw(c47,3) 47,0
GND on Top Layer "Top Layer-GND" (solid, pour order 1): 3,0 cw(c3,3) 0,3 0,47 cw(c3,47) 3,50 47,50 cw(c47,47) 50,47 50,3 cw(c47,3) 47,0

## Keep-outs
Keep-Out Layer:
  the board outline again, w0.254

## Other copper
Top Layer:
  rectangle net 5V: 9.04,21.71 10.76,26.26
Bottom Layer:
  pour cut-out: 6.97,50 6.97,47.23 43.11,47.23 43.11,50.01
  pour cut-out: 0,7.08 0,43.262 7.76,43.262 7.76,7.08

## Silkscreen, mask and mechanical layers (free items; w line width, h text height)
Top Overlay:
  lines w0.3: 5.63,5.01 5.97,5.01 5.97,6.59 7.03,6.59 7.03,5.01 7.37,5.01 ; 5.67,43.27 6.01,43.27 6.01,44.85 7.07,44.85 7.07,43.27 7.41,43.27
  text "-" at 0.98,43.15 h4
  text "+" at 3.09,42.8 h4
  text "►" at 17.52,42.54 h4
  text "A0-A7" at 44.99,42.15 h1.5 r90
  text "C" at 49.63,26.95 h1.5 r90
  text "B" at 49.63,24.89 h1.5 r90
  text "A" at 49.63,22.83 h1.5 r90
  text "SO/FTDI" at 11.08,6.27 h1.5
  text "I2C" at 36.62,6.269 h1.5
  text "S1-S3" at 45.07,5.1 h1.5 r90
  text "-" at 0.94,4.89 h4
  text "+" at 3.05,4.54 h4
Bottom Overlay:
  lines w0.25: 7.76,7.49 12.71,7.49 12.71,14.57 7.76,14.57 ; 7.76,17.65 10.26,17.65 10.26,42.5 7.76,42.5 ; 10.46,0.24 10.46,0.88 ; 11.75,0.24 11.75,0.88 ; 12.58,47.32 12.58,42.99 42.5,42.99 42.5,47.32 ; 12.96,0.24 12.96,0.88 ; 14.21,0.24 14.21,0.88 ; 15.48,0.24 15.48,0.88 ; 16.72,0.24 16.72,0.88 ; 35.8,0.24 35.8,0.88 ; 37.09,0.24 37.09,0.88 ; 38.3,0.24 38.3,0.88 ; 39.55,0.24 39.55,0.88 ; 48.78,32.45 49.42,32.45 ; 48.78,33.74 49.42,33.74 ; 48.78,34.95 49.42,34.95 ; 48.78,36.2 49.42,36.2 ; 48.78,37.47 49.42,37.47 ; 48.78,38.71 49.42,38.71 ; 48.78,39.95 49.42,39.95 ; 48.78,41.19 49.42,41.19 ; 48.86,9.6 49.5,9.6 ; 48.86,10.89 49.5,10.89 ; 48.86,12.1 49.5,12.1 ; 48.86,13.35 49.5,13.35 ; 48.86,14.62 49.5,14.62 ; 48.86,15.86 49.5,15.86 ; 48.86,17.1 49.5,17.1 ; 48.86,18.34 49.5,18.34 ; 8.91,0.23 8.91,4.64 18.25,4.64 18.25,0.23 8.91,0.23 ; 34.25,0.23 41.03,0.23 41.03,4.64 34.25,4.64 34.25,0.23 ; 45.02,30.9 45.02,42.76 49.43,42.76 49.43,30.9 45.02,30.9 ; 45.1,8.05 45.1,19.92 49.51,19.92 49.51,8.05 45.1,8.05
  text "-" at 8.94,45.06 h4
  text "+" at 11.97,44.7 h4
  text "+5V" at 15.635,44.575 h1.5 r270
  text "+5V" at 20.715,44.575 h1.5 r270
  text "PPM" at 13.095,44.234 h1.5 r270
  text "GND" at 18.175,44.095 h1.5 r270
  text "AILE" at 25.795,43.955 h1.5 r270
  text "AUX1" at 33.415,43.586 h1.5 r270
  text "ELEV" at 28.335,43.539 h1.5 r270
  text "AUX2" at 35.955,43.435 h1.5 r270
  text "AUX3" at 38.495,43.426 h1.5 r270
  text "AUX4" at 41.035,43.398 h1.5 r270
  text "THRO" at 23.255,43.23 h1.5 r270
  text "RUDD" at 30.875,43.237 h1.5 r270
  text "RC RECEIVER IN" at 22.98,42.55 h1.5 r180
  text "A7" at 45.61,41.67 h1.5 r180
  text "2" at 9.15,41.044 h1.5
  text "ANALOG 0-7" at 44.721,40.878 h1.5 r90
  text "A6" at 45.61,40.42 h1.5 r180
  text "A5" at 45.61,39.17 h1.5 r180
  text "3" at 9.143,38.515 h1.5
  text "A4" at 45.61,37.92 h1.5 r180
  text "A3" at 45.61,36.67 h1.5 r180
  text "5" at 9.151,35.955 h1.5
  text "A2" at 45.61,35.42 h1.5 r180
  text "A1" at 45.61,34.17 h1.5 r180
  text "6" at 9.147,33.415 h1.5
  text "A0" at 45.61,32.92 h1.5 r180
  text "7" at 9.134,30.875 h1.5
  text "8" at 9.137,28.335 h1.5
  text "Design by Ali CALISKAN" at 48.9,27.03 h1.5
  text "9" at 9.145,25.795 h1.5
  text "www.caliskanali.com" at 48.9,25.25 h1.5
  text "SERVO OUT" at 10.7,24.48 h1.5 r270
  text "10" at 9.825,23.255 h1.5
  text "11" at 9.672,20.715 h1.5
  text "GND" at 45.61,18.82 h1.5 r180
  text "12" at 9.824,18.175 h1.5
  text "+5V" at 45.61,17.57 h1.5 r180
  text "SERIAL 1-3" at 44.721,17.468 h1.5 r90
  text "RX3" at 45.61,16.32 h1.5 r180
  text "ESC POWER PRIDGE" at 22.05,15.635 h1.5
  text "TX3" at 45.61,15.07 h1.5 r180
  text "RX2" at 45.61,13.82 h1.5 r180
  text "PITCH" at 12.327,13.095 h1.5
  text "TX2" at 45.61,12.57 h1.5 r180
  text "RX1" at 45.61,11.32 h1.5 r180
  text "ROLL" at 12.016,10.555 h1.5
  text "TX1" at 45.61,10.07 h1.5 r180
  text "GIMBAL" at 13.15,8.32 h1.5 r270
  text "YAW" at 11.633,8.015 h1.5
  text "SERIAL 0" at 16.46,4.98 h1.5
  text "I2C" at 38.738,4.979 h1.5
  text "TX0" at 9.995,1.8 h1.5 r270
  text "+5V" at 13.745,1.795 h1.5 r270
  text "+5V" at 37.835,1.795 h1.5 r270
  text "RX0" at 11.245,1.72 h1.5 r270
  text "SCL" at 35.335,1.569 h1.5 r270
  text "DTR" at 12.495,1.513 h1.5 r270
  text "SDA" at 36.585,1.386 h1.5 r270
  text "GND" at 14.98,1.315 h1.5 r270
  text "GND" at 16.23,1.315 h1.5 r270
  text "GND" at 39.07,1.315 h1.5 r270
Drill Drawing:
  lines w0.254: -2.54,0.01 0,0